# KiCad board Kanagawa_rgb_ansi_stamp.kicad_pcb (continued)
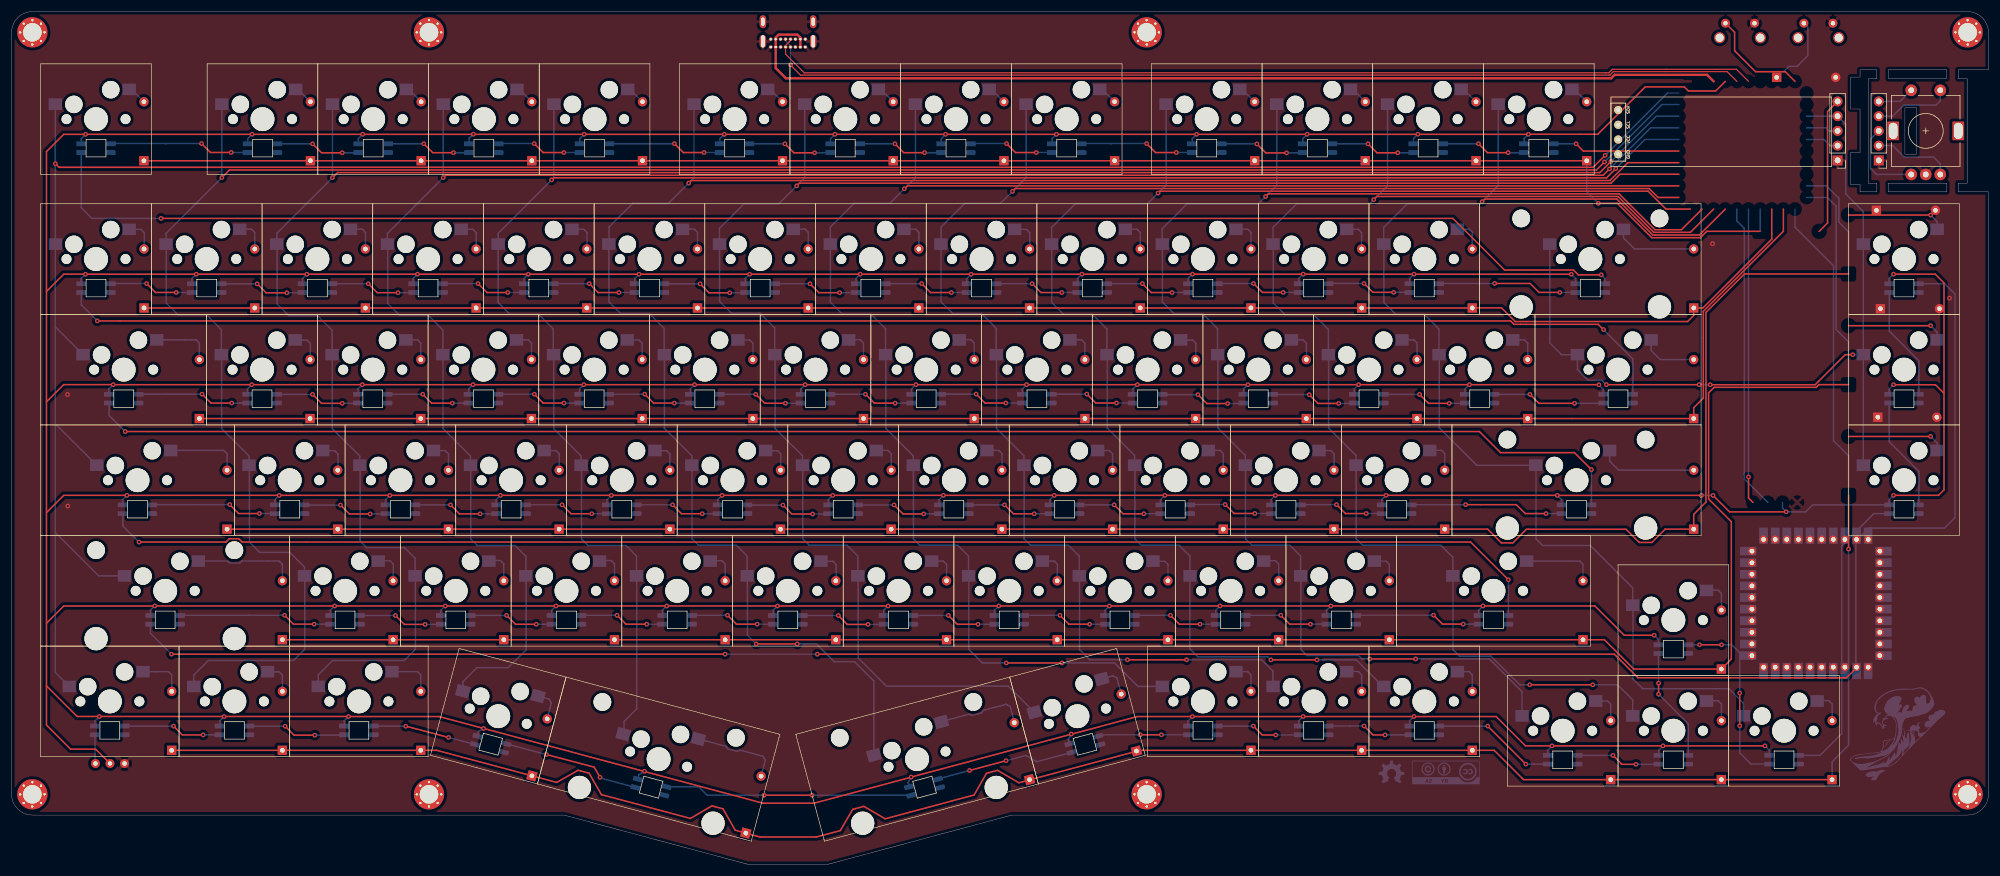
[diagram p0: board, top side]
## Routing (per net, layer and track width the routed paths; a pad name or vN(x,y) marks a point on that pad's centre or on a via; arc(x,y) is an arc through that point) (continued)
col11: length 233.1
  Top w0.254: 292.92,112.88 288.92,108.88 282.63,108.88 276.45,115.06 234.96,115.06 v1(234.41,114.51) ; v1(261.26,30.94) v1(272.11,30.94)
  Bottom w0.254: 226.65,87.82 226.65,75.17 231.36,70.46 KD11.1 ; 217.12,106.77 217.12,96.72 219.15,94.69 224.07,94.69 226.61,92.15 226.61,87.73 ; v1(272.11,30.94) 276.37,30.94 278.99,28.32 278.99,25.62 ; 231.4,56.09 231.4,68.74 ; 248.06,49.64 248.06,36.99 248.06,36.99 249.18,35.88 254.58,35.88 259.56,30.94 v1(261.26,30.94) ; 231.4,56.09 232.52,54.97 245.98,54.97 248.04,52.91 248.04,49.71 ; 236.8,130.93 236.8,116.9 v1(234.41,114.51) 233.71,113.81 221.16,113.81 217.08,109.73 217.08,106.81
col12: length 215.2
  Top w0.254: v1(253.07,114.16) 253.51,114.6 276.26,114.6 282.44,108.42 282.94,108.42 282.94,108.42 290.46,108.42 294.92,112.88
  Bottom w0.254: 279.04,44.63 279.04,31.94 280.71,30.27 295.55,30.27 298.05,27.77 298.05,25.61 ; 262.35,56.06 263.47,54.94 271.67,54.94 278.99,47.62 KE12.1 ; KC12.1 245.65,92.22 243.11,94.76 238.19,94.76 236.16,96.79 236.16,106.84 ; 255.85,130.93 255.85,116.94 v1(253.07,114.16) 252.72,113.81 240.21,113.81 236.13,109.73 236.13,106.81 ; 245.7,87.82 245.7,75.17 252.12,68.75 KD12.1 ; 262.35,56.06 262.35,68.71
col13: length 195.7
  Top w0.254: v1(274.45,82.64) v1(290.41,82.64) ; 299.69,62.35 298.92,63.12 v1(298.92,66.73) ; v1(292.32,82.63) 310.39,82.63 315.56,87.8 v1(316.86,87.8)
  Bottom w0.254: 269.47,87.8 266.72,87.8 264.73,89.79 264.73,106.78 ; 308.92,128.89 J3.4 315.64,127.5 315.64,115.5 318.67,112.47 318.67,68.75 ; v1(292.32,82.63) 292.31,82.64 v1(290.41,82.64) ; v1(316.86,87.8) 316.86,87.8 318.68,87.8 ; v1(274.45,82.64) 273.7,83.39 271.33,83.39 269.46,85.26 KC13.1 ; 298.92,112.88 v1(298.92,66.73)
D+: length 171.1
  Top w0.2: 298.92,134.88 296.84,136.96 275.48,136.96 274.88,136.36 136.41,136.36 133.19,139.58 133.19,140.8 ; 134.05,142.17 134.05,141.92 133.19,141.06 133.19,140.81
D-: length 169.3
  Top w0.2: v1(134.06,137.73) 134.06,137.67 135.77,135.96 275.05,135.96 275.65,136.56 295.24,136.56 296.92,134.88
  Bottom w0.2: v1(134.06,137.73) 134.06,140.77 ; 133.2,142.13 133.2,141.88 134.06,141.03 134.06,140.78
ENCA: length 5.6
  Bottom w0.254: 308.92,126.88 312.26,126.88 312.79,126.35 J3.3
ENCB: length 5.8
  Bottom w0.254: 308.92,124.88 311.9,124.88 312.97,123.81 J3.2
RESET: length 11.2
  Bottom w0.254: 304.92,136.52 305.86,137.46 307.27,137.46 309.13,139.32 309.13,144.22 RSW0.1
RGB_Matrix: length 22.1
  Top w0.254: v1(269.25,124.12) 270.49,122.88 286.92,122.88
  Bottom w0.254: v1(269.25,124.12) 265.35,124.12
RGB_Out: length 4.9
  Bottom w0.254: KF0.4 14.36,17.43
row00: length 291.1
  Top w0.254: DA0.1 271.08,121.21 ; 300.92,109.05 291.73,109.05 290.64,107.96 282.26,107.96 276.34,113.88 v1(273.07,113.88)
  Bottom w0.254: 300.92,112.88 300.92,109.05 ; 271.07,121.22 271.07,115.88 v1(273.07,113.88)
row01: length 292.9
  Top w0.254: DB0.1 251.39,95.85 ; 251.38,95.87 256.41,95.87 258.77,93.51 288.44,93.51 289.49,94.56 289.49,95.85 ; 302.92,112.88 302.92,107.7 291.07,95.85 DB13.1
row02: length 299.6
  Top w0.254: DC13.1 289.49,78.67 291.14,80.32 291.14,95.28 304.92,109.06 304.92,112.88 ; DC12.1 289.49,76.8 ; DC0.1 260.91,76.8
row03: length 321.8
  Top w0.254: DD12.1 289.49,60.3 291.59,62.4 291.59,95.09 298.21,101.71 316.14,101.71 ; 289.49,57.75 284.58,57.75 282.28,55.45 280.12,55.45 277.84,57.73 260.71,57.73 258.37,55.39 256.39,55.39 254.03,57.75 DD0.1
row04: length 324.3
  Top w0.254: DE0.1 274.12,38.7 279.17,33.65 DE12.1 295.96,35.36 295.96,59.03 292.05,62.94 292.05,81.23 293,82.18 310.58,82.18 311.04,82.64 316.14,82.64
row05: length 351.9
  Top w0.254: DF0.1 70.42,19.65 ; 89.53,15.26 73.16,19.65 73.15,19.65 DF2.1 ; 150.32,7.85 165.65,11.96 167.76,15.69 169.68,16.2 ; 142.61,5.83 144.76,9.48 146.67,9.99 ; 169.68,16.2 173.34,14.06 ; 122.42,9.57 120.51,10.09 116.81,7.91 101.49,12.02 ; 316.14,63.55 v1(316.14,54.32) ; 175.23,14.57 193.6,19.5 ; DF12.1 DF10.1 260.2,14.6 255.15,19.65 DF9.1 193.69,19.65 193.59,19.55 ; 99.4,15.7 101.5,12.02 ; 89.55,15.26 93.8,14.12 97.48,16.22 99.39,15.7 ; 142.65,5.83 138.48,4.71 138.47,4.71 128.8,4.71 126.36,5.37 ; 146.67,9.99 150.33,7.85 ; 124.51,5.89 126.36,5.4 ; 173.37,14.07 175.2,14.56 ; 122.43,9.57 124.53,5.89
  Bottom w0.254: v1(316.14,54.32) 316.14,20.52 313.3,17.68 DF12.1
Net-(DA0-Pad2): length 3.4
  Bottom w0.254: 20.22,133.5 20.65,133.5 DA0.2
Net-(DA1-Pad2): length 3.4
  Bottom w0.254: 48.87,133.51 49.29,133.51 DA1.2
Net-(DA2-Pad2): length 3.4
  Bottom w0.254: 67.92,133.5 68.35,133.5 DA2.2
Net-(DA3-Pad2): length 3.4
  Bottom w0.254: 86.97,133.5 87.4,133.5 DA3.2
Net-(DA4-Pad2): length 3.5
  Bottom w0.254: DA4.2 106.44,133.51 106.01,133.51
Net-(DA5-Pad2): length 3.4
  Bottom w0.254: 130.12,133.5 130.55,133.5 DA5.2
Net-(DA6-Pad2): length 3.4
  Bottom w0.254: 149.17,133.49 149.61,133.49 DA6.2
Net-(DA7-Pad2): length 3.4
  Bottom w0.254: 168.22,133.5 168.65,133.5 DA7.2
Net-(DA8-Pad2): length 3.4
  Bottom w0.254: 187.27,133.5 187.7,133.5 DA8.2
Net-(DA9-Pad2): length 3.4
  Bottom w0.254: DA9.2 211.81,133.49 211.38,133.49
Net-(DA10-Pad2): length 3.4
  Bottom w0.254: DA10.2 230.85,133.5 230.43,133.5
Net-(DA11-Pad2): length 3.4
  Bottom w0.254: 249.47,133.5 249.9,133.5 DA11.2
Net-(DA12-Pad2): length 3.4
  Bottom w0.254: 268.53,133.5 268.95,133.5 DA12.2
Net-(DB0-Pad2): length 5.6
  Bottom w0.254: 22.83,106 22.83,108.83 22.27,109.39 20.27,109.39
Net-(DB1-Pad2): length 5.6
  Bottom w0.254: 41.84,106.04 41.84,108.87 41.28,109.43 39.28,109.43
Net-(DB2-Pad2): length 5.6
  Bottom w0.254: 60.9,106.04 60.9,108.87 60.34,109.43 58.34,109.43
Net-(DB3-Pad2): length 5.6
  Bottom w0.254: 79.94,106.02 79.94,108.85 79.38,109.41 77.38,109.41
Net-(DB4-Pad2): length 5.6
  Bottom w0.254: 96.47,109.4 98.47,109.4 99.03,108.84 99.03,106.01
Net-(DB5-Pad2): length 5.6
  Bottom w0.254: 118.04,106.05 118.04,108.88 117.48,109.44 115.48,109.44
Net-(DB6-Pad2): length 5.6
  Bottom w0.254: 137.1,106.05 137.1,108.88 136.54,109.44 134.54,109.44
Net-(DB7-Pad2): length 5.6
  Bottom w0.254: 156.14,106.03 156.14,108.86 155.58,109.42 153.58,109.42
Net-(DB8-Pad2): length 5.6
  Bottom w0.254: 172.66,109.38 174.66,109.38 175.22,108.82 175.22,105.99
Net-(DB9-Pad2): length 5.6
  Bottom w0.254: 194.23,106.03 194.23,108.86 193.67,109.42 191.67,109.42
Net-(DB10-Pad2): length 5.6
  Bottom w0.254: 213.29,106.03 213.29,108.86 212.73,109.42 210.73,109.42
Net-(DB11-Pad2): length 5.6
  Bottom w0.254: 229.77,109.4 231.77,109.4 232.33,108.84 232.33,106.01
Net-(DB12-Pad2): length 5.6
  Bottom w0.254: 248.83,109.42 250.83,109.42 251.39,108.86 251.39,106.03
Net-(DB13-Pad2): length 14.3
  Bottom w0.254: KB13.2 277.4,107.93 279.31,106.02 289.49,106.02
Net-(DC0-Pad2): length 10.4
  Bottom w0.254: 24.99,90.36 31.75,90.36 32.31,89.8 32.31,86.97
Net-(DC1-Pad2): length 5.6
  Bottom w0.254: 48.85,90.31 50.85,90.31 51.41,89.75 51.41,86.92
Net-(DC2-Pad2): length 5.6
  Bottom w0.254: 70.42,86.96 70.42,89.79 69.86,90.35 67.86,90.35
Net-(DC3-Pad2): length 5.6
  Bottom w0.254: 89.48,86.96 89.48,89.79 88.92,90.35 86.92,90.35
Net-(DC4-Pad2): length 5.6
  Bottom w0.254: 108.52,86.94 108.52,89.77 107.96,90.33 105.96,90.33
Net-(DC5-Pad2): length 5.6
  Bottom w0.254: 125.03,90.33 127.03,90.33 127.59,89.77 127.59,86.94
Net-(DC6-Pad2): length 5.6
  Bottom w0.254: 146.6,86.98 146.6,89.81 146.04,90.37 144.04,90.37
Net-(DC7-Pad2): length 5.6
  Bottom w0.254: 165.66,86.98 165.66,89.81 165.1,90.37 163.1,90.37
Net-(DC8-Pad2): length 5.6
  Bottom w0.254: 182.14,90.35 184.14,90.35 184.7,89.79 184.7,86.96
Net-(DC9-Pad2): length 5.6
  Bottom w0.254: 203.82,86.93 203.82,89.76 203.26,90.32 201.26,90.32
Net-(DC10-Pad2): length 5.6
  Bottom w0.254: 220.27,90.36 222.27,90.36 222.83,89.8 222.83,86.97
Net-(DC11-Pad2): length 5.6
  Bottom w0.254: 241.89,86.97 241.89,89.8 241.33,90.36 239.33,90.36
Net-(DC12-Pad2): length 5.6
  Bottom w0.254: 260.93,86.95 260.93,89.78 260.37,90.34 258.37,90.34
Net-(DC13-Pad2): length 9.8
  Bottom w0.254: 289.49,86.96 283.73,86.96 282.16,88.53 KC13.2
Net-(DD0-Pad2): length 12.8
  Bottom w0.254: 27.37,71.31 36.52,71.31 37.08,70.75 37.08,67.92
Net-(DD1-Pad2): length 5.6
  Bottom w0.254: 56.17,67.85 56.17,70.68 55.61,71.24 53.61,71.24
Net-(DD2-Pad2): length 5.6
  Bottom w0.254: 75.18,67.89 75.18,70.72 74.62,71.28 72.62,71.28
Net-(DD3-Pad2): length 5.6
  Bottom w0.254: 91.68,71.28 93.68,71.28 94.24,70.72 94.24,67.89
Net-(DD4-Pad2): length 5.6
  Bottom w0.254: 113.28,67.87 113.28,70.7 112.72,71.26 110.72,71.26
Net-(DD5-Pad2): length 5.6
  Bottom w0.254: 129.81,71.27 131.81,71.27 132.37,70.71 132.37,67.88
Net-(DD6-Pad2): length 5.6
  Bottom w0.254: 151.38,67.92 151.38,70.75 150.82,71.31 148.82,71.31
Net-(DD7-Pad2): length 5.6
  Bottom w0.254: 167.88,71.31 169.88,71.31 170.44,70.75 170.44,67.92
Net-(DD8-Pad2): length 5.6
  Bottom w0.254: 186.92,71.29 188.92,71.29 189.48,70.73 189.48,67.9
Net-(DD9-Pad2): length 5.6
  Bottom w0.254: 205.97,71.32 207.97,71.32 208.53,70.76 208.53,67.93
Net-(DD10-Pad2): length 5.6
  Bottom w0.254: 225.03,71.29 227.03,71.29 227.59,70.73 227.59,67.9
Net-(DD11-Pad2): length 5.6
  Bottom w0.254: 244.07,71.33 246.07,71.33 246.63,70.77 246.63,67.94
Net-(DD12-Pad2): length 16.9
  Bottom w0.254: 275.01,71.3 275.01,69.49 276.59,67.91 DD12.2
Net-(DD13-Pad2): length 54.3
  Top w0.254: v1(330.27,111.85) 316.15,111.85
  Bottom w0.254: v1(330.27,111.85) 331.38,110.74 KD13.2 ; 308.92,114.88 312.49,114.88 314.01,113.36 314.01,92.13 316.13,90.01 316.13,82.65
Net-(DE0-Pad2): length 17.8
  Bottom w0.254: 46.6,48.87 46.6,51.7 46.04,52.26 39.6,52.26 39.26,51.92 37.5,51.92 37.16,52.26 32.13,52.26
Net-(DE1-Pad2): length 5.6
  Bottom w0.254: 63.13,52.3 65.13,52.3 65.69,51.74 65.69,48.91
Net-(DE2-Pad2): length 5.6
  Bottom w0.254: 82.14,52.34 84.14,52.34 84.7,51.78 84.7,48.95
Net-(DE3-Pad2): length 5.6
  Bottom w0.254: 103.76,48.95 103.76,51.78 103.2,52.34 101.2,52.34
Net-(DE4-Pad2): length 5.6
  Bottom w0.254: 122.8,48.93 122.8,51.76 122.24,52.32 120.24,52.32
Net-(DE5-Pad2): length 5.6
  Bottom w0.254: 141.9,48.82 141.9,51.65 141.34,52.21 139.34,52.21
Net-(DE6-Pad2): length 5.6
  Bottom w0.254: 158.35,52.25 160.35,52.25 160.91,51.69 160.91,48.86
Net-(DE7-Pad2): length 5.6
  Bottom w0.254: 179.97,48.86 179.97,51.69 179.41,52.25 177.41,52.25
Net-(DE8-Pad2): length 5.6
  Bottom w0.254: 196.45,52.23 198.45,52.23 199.01,51.67 199.01,48.84
Net-(DE9-Pad2): length 5.6
  Bottom w0.254: 215.5,52.31 217.5,52.31 218.06,51.75 218.06,48.92
Net-(DE10-Pad2): length 5.6
  Bottom w0.254: 234.54,52.23 236.54,52.23 237.1,51.67 237.1,48.84
Net-(DE11-Pad2): length 12.8
  Bottom w0.254: 260.73,52.25 269.87,52.25 270.43,51.69 270.43,48.86
Net-(DE12-Pad2): length 5.6
  Bottom w0.254: 291.69,47.24 293.69,47.24 294.25,46.68 294.25,43.85
Net-(DE13-Pad2): length 37.2
  Top w0.254: v1(330.26,92.79) 316.14,92.79
  Bottom w0.254: 331.37,90.34 331.37,91.69 v1(330.26,92.79) ; 316.14,101.71 316.14,108.96 314.46,110.63 314.46,114.75 312.33,116.88 308.92,116.88
Net-(DF0-Pad2): length 8
  Bottom w0.254: DF0.2 27.55,32.64 26.99,33.2 22.61,33.2
Net-(DF1-Pad2): length 5.6
  Bottom w0.254: 46.6,29.78 46.6,32.61 46.04,33.17 44.04,33.17
Net-(DF2-Pad2): length 8
  Bottom w0.254: 65.47,33.2 69.86,33.2 70.42,32.64 70.42,29.81
Net-(DF3-Pad2): length 5.6
  Bottom w0.254: 92.16,25.07 92.89,27.8 92.49,28.49 90.56,29
Net-(DF4-Pad2): length 15.5
  Bottom w0.254: 124.92,19.45 123.22,19.91 122.98,20.32 118.12,21.62 ; 125.32,19.69 124.9,19.45 ; 128.98,15.2 129.71,17.93 129.31,18.62 ; 129.3,18.63 125.31,19.69
Net-(DF5-Pad2): length 15.5
  Bottom w0.254: 159.97,24.59 164.83,25.89 165.25,25.65 166.95,26.11 ; 172.59,24.46 171.86,27.19 171.17,27.59 ; 171.16,27.58 167.18,26.52 ; 167.18,26.52 166.94,26.1
Net-(DF6-Pad2): length 5.6
  Bottom w0.254: 190.96,29.36 190.23,32.09 189.54,32.49 187.61,31.97
Net-(DF7-Pad2): length 5.6
  Bottom w0.254: 213.29,29.82 213.29,32.65 212.73,33.21 210.73,33.21
Net-(DF8-Pad2): length 5.6
  Bottom w0.254: 229.78,33.22 231.78,33.22 232.34,32.66 232.34,29.83
Net-(DF9-Pad2): length 5.6
  Bottom w0.254: 251.38,29.82 251.38,32.65 250.82,33.21 248.82,33.21
Net-(DF10-Pad2): length 5.6
  Bottom w0.254: 272.65,28.15 274.65,28.15 275.21,27.59 275.21,24.76
Net-(DF11-Pad2): length 5.6
  Bottom w0.254: 291.7,28.19 293.7,28.19 294.26,27.63 294.26,24.8
Net-(DF12-Pad2): length 5.6
  Bottom w0.254: 313.3,24.82 313.3,27.65 312.74,28.21 310.74,28.21
Net-(DF13-Pad2): length 17
  Top w0.254: v1(330.26,73.71) 316.14,73.71
  Bottom w0.254: 331.37,71.26 331.37,72.61 v1(330.26,73.71)
unconnected-(U0-Pad38): length 53.1
  Bottom w0.254: 316.14,63.55 316.14,70.38 313.55,72.97 313.55,103.13 306.92,109.76 306.92,112.88

## Copper pours and planes (outline as drawn; the poured copper is in the pictures)
GND on Top: 342.19,-1.39 -2.34,-2.37 -1.87,148.9 341.77,149.25
GND on Bottom: 342.14,-1.45 -2.39,-2.43 -1.92,148.84 341.72,149.19

## Text on the board
B.Silkscreen: RGB matrix / Output | VCC | GND | JLCJLCJLCJLC | UP ▲ | Kanagawa - rev 2.0 by Ciaanh
